# Altium PCB LKS_Motor_0313.PcbDoc (part 1 of 4)
Units mm, origin at the board's own origin, x right, y up, seen from the top; angles counter-clockwise.
Board outline 109.77 x 15.02 mm, 2 copper layers (Top Layer, Bottom Layer); 107 components, 73 nets, 326 pads, 198 vias.
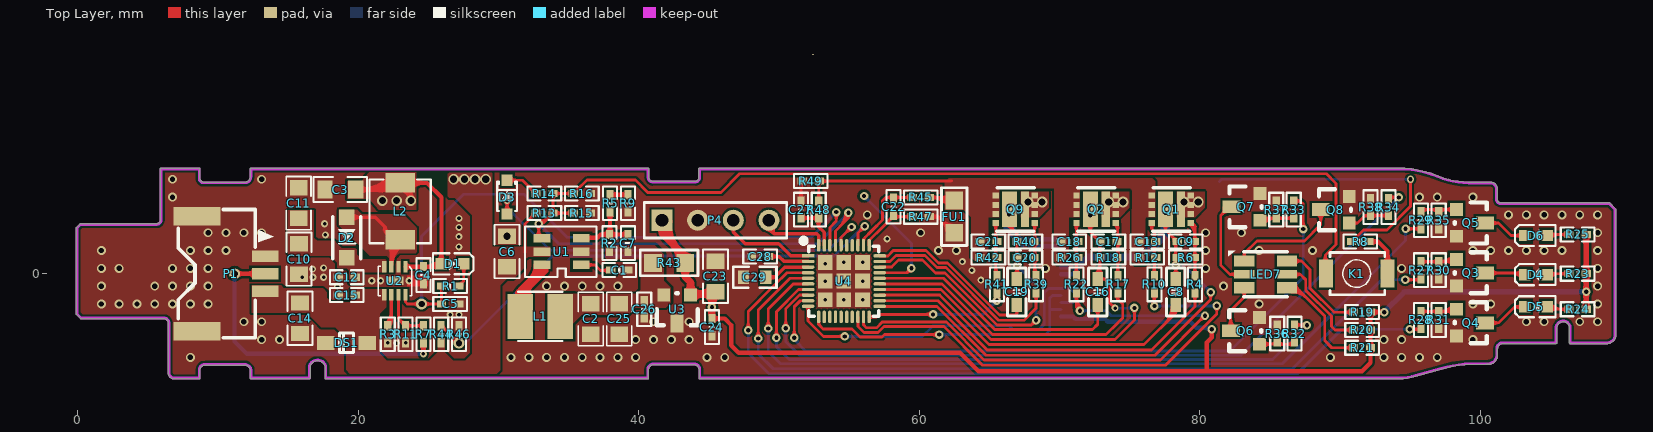
[diagram p0: Top Layer view]
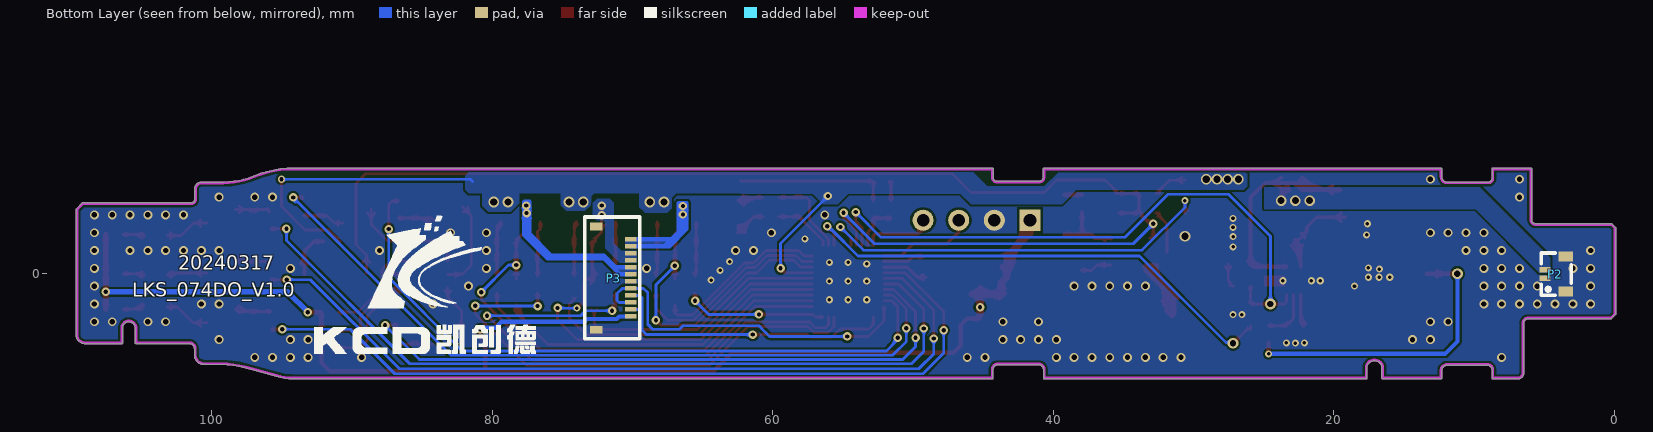
[diagram p1: Bottom Layer view, seen from below]
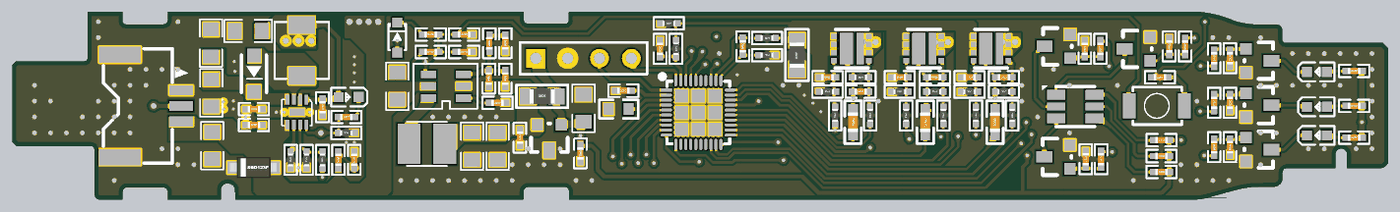
[diagram p5: 3D render of the assembled board from above, using the file's embedded part models]

## Layer stack, top to bottom
Top Solder: solder mask 0.0102, Solder Resist, Dk 3.5
Top Layer: signal copper 0.0356
Dielectric1: core 0.32, FR-4, Dk 4.8
Bottom Layer: signal copper 0.0356
Bottom Solder: solder mask 0.0102, Solder Resist, Dk 3.5

## Board outline
8.656,-7.499 ccw(c8.656,-7.449) 8.707,-7.449 8.707,-6.859 cw(c9.038,-6.859) 9.038,-6.528 11.921,-6.528 cw(c11.921,-6.907) 12.299,-6.907 12.299,-7.449 ccw(c12.35,-7.449) 12.35,-7.499 16.509,-7.499 ccw(c16.509,-7.449) 16.559,-7.449 16.559,-6.581 cw(c17.094,-6.768) 17.628,-6.581 17.628,-7.449 ccw(c17.678,-7.449) 17.678,-7.499 40.636,-7.499 ccw(c40.636,-7.449) 40.687,-7.449 40.687,-6.84 cw(c41.031,-6.841) 41.031,-6.496 43.965,-6.496 cw(c43.965,-6.824) 44.293,-6.824 44.293,-7.45 ccw(c44.343,-7.45) 44.343,-7.5 94.185,-7.5 ccw(c94.185,-7.45) 94.186,-7.5 ccw(c94.141,-3.379) 95.374,-7.312 97.194,-6.815 ccw(c97.18,-6.766) 97.195,-6.814 cw(c99.636,-15.008) 98.86,-6.494 100.458,-6.467 ccw(c100.542,-5.786) 101.22,-5.896 ccw(c101.17,-5.888) 101.221,-5.888 ccw(c101.17,-5.888) 101.221,-5.887 101.221,-5.342 cw(c101.583,-5.342) 101.583,-4.98 105.404,-4.98 ccw(c105.404,-4.93) 105.454,-4.93 105.454,-3.782 cw(c105.904,-3.886) 106.353,-3.782 106.353,-4.935 ccw(c106.404,-4.935) 106.404,-4.985 109.065,-4.985 ccw(c109.065,-4.935) 109.07,-4.985 ccw(c109.007,-4.316) 109.652,-4.503 ccw(c109.604,-4.489) 109.654,-4.489 109.654,4.575 ccw(c109.604,4.575) 109.639,4.611 109.22,5.03 ccw(c109.184,4.995) 109.184,5.045 101.458,5.045 cw(c101.458,5.309) 101.194,5.309 101.194,6.057 ccw(c100.733,6.057) 100.733,6.519 99.144,6.519 cw(c99.333,13.227) 97.362,6.812 ccw(c93.778,-1.357) 94.619,7.524 ccw(c94.614,7.474) 94.614,7.524 44.322,7.524 ccw(c44.322,7.474) 44.272,7.474 44.272,6.816 ccw(c44.322,6.816) 44.272,6.816 cw(c44.038,6.816) 44.038,6.582 cw(c44.038,6.816) 44.038,6.582 41.015,6.582 cw(c41.015,6.898) 40.7,6.898 40.7,7.471 ccw(c40.65,7.471) 40.65,7.522 12.339,7.522 ccw(c12.339,7.471) 12.289,7.471 12.289,6.886 cw(c11.933,6.886) 11.933,6.529 8.958,6.529 cw(c8.958,6.781) 8.707,6.781 8.707,7.474 ccw(c8.656,7.474) 8.656,7.524 5.942,7.524 ccw(c5.942,7.474) 5.891,7.474 5.891,3.823 cw(c5.635,3.823) 5.635,3.566 0.199,3.566 ccw(c0.199,3.516) 0.163,3.551 -0.097,3.291 ccw(c-0.062,3.255) -0.112,3.255 -0.112,-2.863 ccw(c-0.062,-2.863) -0.097,-2.899 0.202,-3.198 ccw(c0.237,-3.162) 0.237,-3.213 6.146,-3.213 cw(c6.146,-3.524) 6.457,-3.524 6.457,-7.08 ccw(c6.876,-7.08) 6.876,-7.499

## Design rules (kind name [scope] priority, off if disabled: settings)
Clearance [All] p1: gap=0.1 ignorepadtopadclearanceinfootprint=FALSE except(0: Arc-Hole Track-Hole SMDPad-Hole THPad-Hole Via-Hole Fill-Hole Poly-Hole Region-Hole Text-Hole)
ComponentClearance [All] p1 off: gap=0.254 collisioncheckmode=3 verticalgap=0.254 showdistances=FALSE
FabricationTestpoint [(IsPad And (OnTopLayer Or OnBottomLayer))] p1: side=3 testpointundercomponent=TRUE minsize=1.016 maxsize=2.54 preferedsize=1.524 minholesize=0 maxholesize=1.016 preferedholesize=0.813 testpointgrid=0.025 allowsidetop=TRUE allowsidebottom=TRUE usegrid=TRUE gridtolerance=0
HoleSize [All] p1: absolutevalues=TRUE maxlimit=5.08 minlimit=0.025 maxpercent=80.000 minpercent=20.000
HoleToHoleClearance [All] p1: gap=0.127 allowstackedmicrovias=TRUE
MinimumSolderMaskSliver [All] p1 off: minsoldermaskwidth=0.127
PlaneClearance [All] p1: clearance=0.178
PlaneConnect [All] p1: planeconnectstyle=Direct reliefexpansion=0.508 reliefentries=4 reliefconductorwidth=0.254 reliefairgap=0.254
PolygonConnect [All] p1: connectstyle=Direct reliefconductorwidth=0.254 reliefentries=4 polygonreliefangle="90 Angle" airgapwidth=0.254
RoutingVias [All] p1: holewidth=0.457 width=0.762 viastyle="Through Hole" minholewidth=0.2 minwidth=0.5 maxholewidth=1 maxwidth=2
SilkToSilkClearance [All] p1 off: silktosilkclearance=0
SilkToSolderMaskClearance SilkscreenOverComponentPads [IsPad] p1 off: minsilkscreentomaskgap=0.127 clearancetoexposedcopper=TRUE
SolderMaskExpansion [All] p1: expansion=0.102 istentingtop=FALSE
Width [All] p1: maxlimit=2.54 minlimit=0.127 preferedwidth=0.203
21 further rules are at their usual default settings.

## Components (designator, comment, footprint, x,y, rotation, side; value= is the part's Value field where it differs from the comment)
C1 "1uF/16V" "C 0402_M" 38.608,0.254 r180 top
C2 "10uF/16V" 0805C 36.576,-3.302 r90 top
C3 "22uF/25V" 0805C 18.644,5.994 r0 top
C4 "1uF/25V" "C 0402_M" 24.638,-0.102 r270 top
C5 "103" "R 0402_M" 26.543,-2.159 r180 top
C6 "10uF/16V" 0805C 30.607,1.651 r270 top
C7 "10pF/16V" "C 0402_M" 39.218,2.186 r270 top
C8 "4.7uF/25V" "C 0603_M" 78.28,-1.302 r270 top
C9 "1nF" "C 0402_M" 78.994,2.286 r0 top
C10 "22uF/25V" 0805C 15.773,0.965 r90 top
C11 "22uF/25V" 0805C 15.748,5.105 r270 top
C12 "4.7uF/25V" "C 0402_M" 19.177,-0.254 r0 top
C13 "1nF" "C 0402_M" 76.248,2.286 r0 top
C14 "22uF/25V" 0805C 15.85,-3.251 r90 top
C15 "1uF/25V" "C 0402_M" 19.177,-1.524 r0 top
C16 "4.7uF/25V" "C 0603_M" 72.72,-1.302 r270 top
C17 "1nF" "C 0402_M" 73.482,2.286 r0 top
C18 "1nF" "C 0402_M" 70.688,2.286 r0 top
C19 "4.7uF/25V" "C 0603_M" 66.956,-1.302 r270 top
C20 "1nF" "C 0402_M" 67.564,1.143 r0 top
C21 "1nF" "C 0402_M" 64.922,2.286 r0 top
C22 "NC" "C 0402_M" 58.166,4.776 r90 top
C23 "10uF/10V" 0805C 45.466,-0.115 r270 top
C24 "100nF" "C 0402_M" 45.212,-3.81 r270 top
C25 "10uF/10V" 0805C 38.608,-3.302 r90 top
C26 "100nF/10V" "C 0402_M" 40.386,-2.54 r270 top
C27 "1nF/50V" "C 0402_M" 51.562,4.572 r270 top
C28 "100nF/50V" "C 0402_M" 48.644,1.22 r180 top
C29 "1uF/10V" 0603 48.26,-0.254 r0 top
D1 "LED_R" 0603-LED 26.797,0.635 r180 top
D2 "SS34" SOD123FL 19.177,2.794 r270 top
D3 "4148" SOD-323 30.607,5.461 r270 top
D4 "LED_R" 0603-LED 103.886,0 r0 top
D5 "LED_R" 0603-LED 103.886,-2.286 r0 top
D6 "LED_R" 0603-LED 103.886,2.794 r0 top
DS1 "SMF12CA-MS" SOD-123F 19.152,-4.928 r0 top
FU1 "0.05R" "R 0805_M" 62.484,4.064 r90 top
K1 "K1" Button3x4x2 91.186,0 r180 top locked
L1 "6.8uH" SMD3X3 33.02,-3.302 r180 top
L2 "4.7uH" 0420-L 22.911,4.318 r270 top
LED7 "RGB3528" SMD3528-RGB 84.836,0 r180 top
P1 "Header 3" X9827WRS-3P 10.922,0.127 r270 top locked
P2 "Header 2" CONN_SMD_2P_0.6 4.064,0 r90 bottom locked
P3 "Header 12" SMD-12 70.104,-3.048 r90 bottom locked
P4 "Header 4" HDR1X4 41.656,3.81 r0 top
Q1 "CJBM3020" DFN-3X3_8 79.35,3.608 r90 top
Q2 "CJBM3020" DFN-3X3_8 73.99,3.608 r90 top
Q3 "J3Y" SOT-23 98.298,1.016 r270 top
Q4 "J3Y" SOT-23 98.298,-2.54 r270 top
Q5 "J3Y" SOT-23 98.298,4.572 r270 top
Q6 "J3Y" SOT-23 84.252,-5.029 r90 top
Q7 "J3Y" SOT-23 84.277,3.81 r90 top
Q8 "J3Y" SOT-23 90.653,3.607 r90 top
Q9 "CJBM3020" DFN-3X3_8 68.224,3.608 r90 top
R1 "4.7K" "C 0402_M" 26.543,-0.889 r0 top
R2 "2.5M" "C 0402_M" 37.908,2.186 r90 top
R3 "510" "R 0402_M" 22.098,-4.318 r270 top
R4 "10R" "R 0402_M" 79.65,-0.762 r270 top
R5 "340K" "C 0402_M" 37.948,5.018 r90 top
R6 "10K" "R 0402_M" 78.994,1.143 r180 top
R7 "RS/NC" "R 0402_M" 24.638,-4.318 r90 top
R8 "200K" "C 0402_M" 91.44,2.286 r180 top
R9 "0" "C 0402_M" 39.218,5.018 r270 top
R10 "10R" "R 0402_M" 76.756,-0.762 r270 top
R11 "RP/NC" "R 0402_M" 23.368,-4.318 r270 top
R12 "10K" "R 0402_M" 76.248,1.143 r180 top
R13 "1.5M/NC" "C 0402_M" 33.274,4.318 r0 top
R14 "1K" "C 0402_M" 33.274,5.715 r0 top
R15 "100K" "C 0402_M" 35.941,4.318 r180 top
R16 "100K" "C 0402_M" 35.941,5.715 r0 top
R17 "10R" "R 0402_M" 74.17,-0.762 r270 top
R18 "10K" "R 0402_M" 73.482,1.143 r180 top
R19 "1K" "C 0402_M" 91.564,-2.743 r0 top
R20 "1K" "C 0402_M" 91.564,-4.013 r0 top
R21 "1K" "C 0402_M" 91.564,-5.283 r0 top
R22 "10R" "R 0402_M" 71.196,-0.762 r270 top
R23 "1K" "C 0402_M" 106.934,0 r0 top
R24 "1K" "C 0402_M" 106.934,-2.54 r0 top
R25 "1K" "C 0402_M" 106.934,2.794 r0 top
R26 "10K" "R 0402_M" 70.688,1.143 r180 top
R27 "10K" "C 0402_M" 95.758,0.254 r270 top
R28 "10K" "C 0402_M" 95.758,-3.302 r270 top
R29 "10K" "C 0402_M" 95.758,3.81 r270 top
R30 "100K" "C 0402_M" 97.028,0.254 r270 top
R31 "100K" "C 0402_M" 97.028,-3.302 r270 top
R32 "10K" "C 0402_M" 86.741,-4.267 r90 top
R33 "10K" "C 0402_M" 86.69,4.572 r90 top
R34 "10K" "C 0402_M" 93.447,4.75 r90 top
R35 "100K" "C 0402_M" 97.028,3.81 r270 top
R36 "100K" "C 0402_M" 85.522,-4.267 r90 top
R37 "100K" "C 0402_M" 85.446,4.572 r90 top
R38 "100K" "C 0402_M" 92.177,4.75 r90 top
R39 "10R" "R 0402_M" 68.326,-0.762 r270 top
R40 "10K" "R 0402_M" 67.564,2.286 r180 top
R41 "10R" "R 0402_M" 65.532,-0.762 r270 top
R42 "10K" "R 0402_M" 64.922,1.143 r180 top
R43 "0R/NC" "R 0805_M" 42.164,0.762 r0 top
R44 "2M" "C 0402_M" 25.908,-4.318 r90 top
R45 "1K1%" "R 0402_M" 60.098,5.434 r180 top
R46 "470K" "C 0402_M" 27.178,-4.318 r90 top
R47 "1K1%" "R 0402_M" 60.098,4.064 r180 top
R48 "1K" "R 0402_M" 52.832,4.572 r270 top
R49 "10R" "R 0402_M" 52.262,6.604 r180 top
U1 "CS5503R" SOT23-6L 34.544,1.524 r180 top
U2 "CS5090EL" DFN2X2_8_0.5 22.606,-0.508 r180 top
U3 "CJ6376A33MY" SOT-23 43.688,-1.524 r180 top
U4 "LKS32MC074DOF8Q8" QFN40 54.61,-0.508 r0 top

## Footprints (in the part's own frame and the unit in brackets; to place one, negate y for a bottom-side part, rotate by r counter-clockwise, add the part's x,y. Pads: shape width x height; smd on the part's side, far side on the other; paste and mask are expansions set on the pad)
0420-L [mm]
  rect 1.4x2.12 smd: 1(1.901,0.076) 2(-2.155,0.076)
  silkscreen extent -2.4,-2.1 2.15,2.25
0603 [mm]
  rect 0.8x0.955 smd: 1(-0.795,0) 2(0.795,0)
  silkscreen extent -1.53,-0.75 1.56,0.75
0603-LED [mm]
  rect 0.8x0.8 smd: 1(0.876,-0.073) 2(-0.723,-0.08)
  silkscreen extent -1.41,-0.82 1.47,0.68
0805C [mm]
  rect 1.1x1.27 smd: 1(-1.016,0) 2(1.159,0)
  silkscreen extent -1.83,-0.89 1.98,0.89
Button3x4x2 [mm]
  rect 1x2 smd: 1(-2.2,0) 2(2.2,0)
  silkscreen extent -2,-1.5 1.9,1.5
"C 0402_M" [mil] "无极性贴片电容"
  rect 26x20 smd: 1(-24,0) 2(24,0)
  silkscreen extent -47,-20 47,20, body extent -20,-10 20,10, height 21
"C 0603_M" [mil] "无极性贴片电容"
  rect 40x30 smd: 1(-36.5,0) 2(36.5,0)
  silkscreen extent -68,-26 68,26, body extent -31,-16 31,16, height 32
CONN_SMD_2P_0.6 [mm]
  rect 0.4x0.8 smd: 1(-0.324,0.871) 2(0.276,0.871)
  rect 0.7x1.05 smd: 3(1.226,-0.604) 4(-1.274,-0.604)
  silkscreen extent -1.52,-1.01 1.48,1.15
DFN2X2_8_0.5 [mm]
  rect 0.3x0.8 smd: 1(-0.75,-1) 2(-0.25,-1) 3(0.25,-1) 4(0.75,-1) 5(0.75,1) 6(0.25,1) 7(-0.25,1) 8(-0.75,1)
  rect 1.2x0.6 smd: 9(0,0)
  silkscreen extent -1.19,-1.02 1.2,1.08
DFN-3X3_8 [mil]
  rect 17x18 smd: 1(0,0) 2(25.59,0) 3(51.18,0) 4(76.77,0) 5(76.77,109.58) 6(51.18,109.58) 7(25.59,109.58) 8(0,109.58)
  rect 100x23 smd: 9(38.33,27.5)
  rect 100x42 smd: 10(38.33,70.83)
  silkscreen extent -23,2 99,106
HDR1X4 [mm] "Connector; Header; 4 Position"
  rect 1.5x1.5 hole 0.9: 1(0,0)
  round 1.5 hole 0.9: 2(2.54,0) 3(5.08,0) 4(7.62,0)
  silkscreen extent -1.27,-1.27 8.89,1.27
QFN40 [mm]
  rect 1.05x1.05 smd: 0(-1.32,-1.352) 0(-1.32,1.308) 0(-1.32,-0.022) 0(0.01,-0.022) 0(0.01,-1.352) 0(0.01,1.308) 0(1.34,-1.352) 0(1.34,-0.022) 0(1.34,1.308)
  rect 0.9x0.24 smd: 1(-2.54,1.778)
  oval 0.9x0.24 smd: 2(-2.54,1.378) 3(-2.54,0.978) 4(-2.54,0.578) 5(-2.54,0.178) 6(-2.54,-0.222) 7(-2.54,-0.622) 8(-2.54,-1.022) 9(-2.54,-1.422) 10(-2.54,-1.822) 21(2.56,-1.822) 22(2.56,-1.422) 23(2.56,-1.022) 24(2.56,-0.622) 25(2.56,-0.222) 26(2.56,0.178) 27(2.56,0.578) 28(2.56,0.978) 29(2.56,1.378) 30(2.56,1.778)
  oval 0.24x0.9 smd: 11(-1.79,-2.572) 12(-1.39,-2.572) 13(-0.99,-2.572) 14(-0.59,-2.572) 15(-0.19,-2.572) 16(0.21,-2.572) 17(0.61,-2.572) 18(1.01,-2.572) 19(1.41,-2.572) 20(1.81,-2.572) 31(1.81,2.528) 32(1.41,2.528) 33(1.01,2.528) 34(0.61,2.528) 35(0.21,2.528) 36(-0.19,2.528) 37(-0.59,2.528) 38(-0.99,2.528) 39(-1.39,2.528) 40(-1.79,2.528)
  silkscreen extent -2.98,-2.52 2.51,2.97
"R 0402_M" [mil] "1/16W贴片电阻"
  rect 26x20 smd: 1(-24,0) 2(24,0)
  silkscreen extent -47,-20 47,20, body extent -20,-10 20,10, height 12
"R 0805_M" [mil] "1/8W贴片电阻"
  rect 50x50 smd: 1(-45,0) 2(45,0)
  silkscreen extent -81,-36 81,36, body extent -39,-25 39,25, height 20
SMD3X3 [mm]
  rect 1.824x3.22 smd: 1(1.479,-0.254) 2(-1.377,-0.254)
  silkscreen extent -1.53,-2.02 1.63,1.51
SMD3528-RGB [mm]
  rect 1.45x0.8 smd: 1(1.677,-0.899) 3(1.677,1.001) 4(-1.373,1.001) 6(-1.373,-0.899)
  rect 1.45x0.6 smd: 2(1.677,0.051) 5(-1.373,0.051)
  silkscreen extent -1.4,-1.65 2.8,1.65
SMD-12 [mil]
  rect 22x36 smd: 0(252.38,97.5) 0/2(-37.62,97.5)
  rect 13x32 smd: 1(216.53,0) 2(196.85,0) 3(177.17,0) 4(157.48,0) 5(137.79,0) 6(118.11,0) 7(98.42,0) 8(78.74,0) 9(59.05,0) 10(39.37,0) 11(19.69,0) 12(0,0)
  silkscreen extent -62,-25 279,130
SOD123FL [mm]
  rect 1.1x1.1 smd: 1(-1.228,-0.006) 2(1.673,-0.006)
  silkscreen extent -1.28,-1.01 1.72,0.99
SOD-123F [mm]
  rect 1.25x1 smd: 1(1.475,0) 2(-1.475,0)
  silkscreen extent -0.5,-0.7 0.5,0.7, body extent -1.9,-0.85 1.85,0.85, height 1.2
SOD-323 [mm]
  rect 0.8x0.8 smd: 1(1.2,0) 2(-1.2,0)
  silkscreen extent -1.1,-0.7 1,0.7
SOT23-6L [mm]
  rect 1.2x0.6 smd: 1(-1.349,0.899) 2(-1.349,-0.051) 3(-1.349,-1.001) 4(1.451,-1.001) 5(1.451,-0.051) 6(1.451,0.899)
  silkscreen extent -2.45,-1.85 2.65,1.75
SOT-23 [mil]
  rect 36x36 smd: 1(0,0) 2(75,0)
  rect 36x50 smd: 3(38,80)
  silkscreen extent -20,-5 95,85
X9827WRS-3P [mm]
  rect 0.8x1.9 smd: 1(-1.123,2.438) 2(0.127,2.438) 3(1.377,2.438)
  rect 1.3x3.35 smd: 4(4.227,-2.438) 5(-3.973,-2.438)
  silkscreen extent -4.45,-3.76 4.7,3.04

## Part data
C1 C4 C24: library part CAP
C2 C3 C5 C6 C7 C8 C9 C10 C11 C12 C13 C14 C15 C16 C17 C18 C19 C20 C21 C22 C23 C25 C26: library part CAP, "Capacitor"
C27 C28 C29: library part C, "Capacitor"
D1 D4 D5 D6: library part LED
D2 D3: library part Diode, "Default Diode"
DS1: library part DIODE-3, "12V/19.9V"
FU1 R4 R6 R10 R12 R17 R18 R22 R26 R39 R40 R41 R42 R45 R47 R48 R49: library part RAS
L1 L2: library part Inductor, "Inductor"
LED7: library part RGB5050
P1: "Header, 3-Pin"
P2: "Header, 2-Pin"
P3: "Header, 12-Pin"
P4: "Header, 4-Pin"
Q3 Q4 Q5 Q6 Q7 Q8: library part NPN, "NPN Transistor"
R1 R2 R3 R5 R7 R8 R9 R11 R13 R14 R15 R16 R19 R20 R21 R23 R24 R25 R27 R28 R29 R30 R31 R32 R33 R34 R35 R36 R37 R38 R43 R44 R46: library part RES2_S
U3: library part 78L15
U4: library part LKS32MC074DF8Q8, "芯片"

## Via types
v1: diameter 0.635, hole 0.381, Top Layer to Bottom Layer, tented both sides, 102 vias
v2: diameter 0.6, hole 0.3, Top Layer to Bottom Layer, tented both sides, 36 vias
v3: diameter 0.508, hole 0.254, Top Layer to Bottom Layer, tented both sides, 19 vias
v4: diameter 0.762, hole 0.508, Top Layer to Bottom Layer, 10 vias
v5: diameter 0.5, hole 0.25, Top Layer to Bottom Layer, tented both sides, 8 vias
v6: diameter 0.6, hole 0.3, Top Layer to Bottom Layer, 6 vias
v7: diameter 0.508, hole 0.254, Top Layer to Bottom Layer, 5 vias
v8: diameter 0.5, hole 0.25, Top Layer to Bottom Layer, 4 vias
v9: diameter 0.762, hole 0.508, Top Layer to Bottom Layer, tented both sides, 4 vias
v10: diameter 0.762, hole 0.457, Top Layer to Bottom Layer, tented both sides, 3 vias
v11: diameter 0.508, hole 0.3, Top Layer to Bottom Layer, tented both sides, 1 vias

## Nets (pads, with @x,y where several pads share a name; then routed paths per layer and width w, separated by ;. In a path a pad name is that pad's centre, name@x,y a point inside that pad or via, vN(x,y) a via of type N, cw(c..) or ccw(c..) an arc to the next point about the centre after c; other vN are vias at no path point)
1ST: R29.2 U4.6 | length 72.2
  Top Layer w0.2: v2(49.225,-3.912) 49.225,-2.515 51.01,-0.73 U4.6@52.07,-0.73 ; v2@94.894,3.2 R29.2@95.758,3.2 ; v2@49.084,-3.77 ccw(c48.742,-3.429) 49.225,-3.429 ; v2@49.084,-3.77 ccw(c48.742,-3.429) 49.225,-3.429 ; v2@49.084,-3.77 ccw(c48.742,-3.429) 49.225,-3.429 ; v2@49.084,-3.77 ccw(c48.742,-3.429) 49.225,-3.429 ; 49.225,-3.429 ccw(c49.708,-3.429) v2@49.367,-3.77 ; 49.225,-3.429 ccw(c49.708,-3.429) v2@49.367,-3.77 ; 49.225,-3.429 ccw(c49.708,-3.429) v2@49.367,-3.77 ; 49.225,-3.429 ccw(c49.708,-3.429) v2@49.367,-3.77 ; v2@94.807,3.059 cw(c95.149,2.718) 95.149,3.2 ; v2@94.807,3.059 cw(c95.149,2.718) 95.149,3.2 ; v2@94.807,3.059 cw(c95.149,2.718) 95.149,3.2 ; v2@94.807,3.059 cw(c95.149,2.718) 95.149,3.2 ; v2@94.807,3.342 ccw(c95.149,3.683) 95.149,3.2 ; v2@94.807,3.342 ccw(c95.149,3.683) 95.149,3.2 ; v2@94.807,3.342 ccw(c95.149,3.683) 95.149,3.2 ; v2@94.807,3.342 ccw(c95.149,3.683) 95.149,3.2 ; 95.386,3.2 cw(c95.386,2.829) R29.2@95.649,3.092 ; 95.386,3.2 ccw(c95.386,3.572) R29.2@95.649,3.309 ; 95.386,3.2 cw(c95.386,2.829) R29.2@95.649,3.092 ; 95.386,3.2 ccw(c95.386,3.572) R29.2@95.649,3.309 ; 95.386,3.2 cw(c95.386,2.829) R29.2@95.649,3.092 ; 95.386,3.2 ccw(c95.386,3.572) R29.2@95.649,3.309 ; 95.386,3.2 cw(c95.386,2.829) R29.2@95.649,3.092 ; 95.386,3.2 ccw(c95.386,3.572) R29.2@95.649,3.309
  Bottom Layer w0.2: v2(49.225,-3.912) 49.225,-5.537 50.114,-6.426 85.877,-6.426 94.666,2.362 v2(94.666,3.2) ; v2@49.084,-4.053 cw(c48.742,-4.394) 49.225,-4.394 ; v2@49.084,-4.053 cw(c48.742,-4.394) 49.225,-4.394 ; v2@49.084,-4.053 cw(c48.742,-4.394) 49.225,-4.394 ; v2@49.084,-4.053 cw(c48.742,-4.394) 49.225,-4.394 ; 49.225,-4.394 cw(c49.708,-4.394) v2@49.367,-4.053 ; 49.225,-4.394 cw(c49.708,-4.394) v2@49.367,-4.053 ; 49.225,-4.394 cw(c49.708,-4.394) v2@49.367,-4.053 ; 49.225,-4.394 cw(c49.708,-4.394) v2@49.367,-4.053 ; v2@94.524,3.059 cw(c94.183,2.718) 94.666,2.718 ; v2@94.524,3.059 cw(c94.183,2.718) 94.666,2.718 ; v2@94.524,3.059 cw(c94.183,2.718) 94.666,2.718 ; v2@94.524,3.059 cw(c94.183,2.718) 94.666,2.718 ; 94.666,2.718 cw(c95.149,2.718) v2@94.807,3.059 ; 94.666,2.718 cw(c95.149,2.718) v2@94.807,3.059 ; 94.666,2.718 cw(c95.149,2.718) v2@94.807,3.059 ; 94.666,2.718 cw(c95.149,2.718) v2@94.807,3.059
2ND: R27.2 U4.5 | length 72.4
  Top Layer w0.2: v2(48.514,-4.623) 48.514,-2.591 50.775,-0.33 U4.5@52.07,-0.33 ; v2(94.64,-0.432) 95.682,-0.432 R27.2@95.758,-0.356 ; v2@48.373,-4.481 ccw(c48.031,-4.14) 48.514,-4.14 ; v2@48.373,-4.481 ccw(c48.031,-4.14) 48.514,-4.14 ; v2@48.373,-4.481 ccw(c48.031,-4.14) 48.514,-4.14 ; v2@48.373,-4.481 ccw(c48.031,-4.14) 48.514,-4.14 ; 48.514,-4.14 ccw(c48.997,-4.14) v2@48.655,-4.481 ; 48.514,-4.14 ccw(c48.997,-4.14) v2@48.655,-4.481 ; 48.514,-4.14 ccw(c48.997,-4.14) v2@48.655,-4.481 ; 48.514,-4.14 ccw(c48.997,-4.14) v2@48.655,-4.481 ; v2@94.782,-0.573 cw(c95.123,-0.915) 95.123,-0.432 ; v2@94.782,-0.573 cw(c95.123,-0.915) 95.123,-0.432 ; v2@94.782,-0.573 cw(c95.123,-0.915) 95.123,-0.432 ; v2@94.782,-0.573 cw(c95.123,-0.915) 95.123,-0.432 ; v2@94.782,-0.29 ccw(c95.123,0.051) 95.123,-0.432 ; v2@94.782,-0.29 ccw(c95.123,0.051) 95.123,-0.432 ; v2@94.782,-0.29 ccw(c95.123,0.051) 95.123,-0.432 ; v2@94.782,-0.29 ccw(c95.123,0.051) 95.123,-0.432 ; 95.386,-0.432 cw(c95.386,-0.804) R27.2@95.649,-0.541 ; 95.386,-0.432 ccw(c95.386,-0.06) R27.2@95.649,-0.323 ; 95.386,-0.432 cw(c95.386,-0.804) R27.2@95.649,-0.541 ; 95.386,-0.432 ccw(c95.386,-0.06) R27.2@95.649,-0.323 ; 95.386,-0.432 cw(c95.386,-0.804) R27.2@95.649,-0.541 ; 95.386,-0.432 ccw(c95.386,-0.06) R27.2@95.649,-0.323 ; 95.386,-0.432 cw(c95.386,-0.804) R27.2@95.649,-0.541 ; 95.386,-0.432 ccw(c95.386,-0.06) R27.2@95.649,-0.323
  Bottom Layer w0.2: v2(48.514,-4.623) 48.514,-5.715 49.581,-6.782 86.614,-6.782 92.964,-0.432 v2(94.64,-0.432) ; v2@48.373,-4.764 cw(c48.031,-5.106) 48.514,-5.106 ; v2@48.373,-4.764 cw(c48.031,-5.106) 48.514,-5.106 ; v2@48.373,-4.764 cw(c48.031,-5.106) 48.514,-5.106 ; v2@48.373,-4.764 cw(c48.031,-5.106) 48.514,-5.106 ; 48.514,-5.106 cw(c48.997,-5.106) v2@48.655,-4.764 ; 48.514,-5.106 cw(c48.997,-5.106) v2@48.655,-4.764 ; 48.514,-5.106 cw(c48.997,-5.106) v2@48.655,-4.764 ; 48.514,-5.106 cw(c48.997,-5.106) v2@48.655,-4.764 ; 94.158,-0.432 cw(c94.158,-0.915) v2@94.499,-0.573 ; 94.158,-0.432 ccw(c94.158,0.051) v2@94.499,-0.29 ; 94.158,-0.432 cw(c94.158,-0.915) v2@94.499,-0.573 ; 94.158,-0.432 ccw(c94.158,0.051) v2@94.499,-0.29 ; 94.158,-0.432 cw(c94.158,-0.915) v2@94.499,-0.573 ; 94.158,-0.432 ccw(c94.158,0.051) v2@94.499,-0.29 ; 94.158,-0.432 cw(c94.158,-0.915) v2@94.499,-0.573 ; 94.158,-0.432 ccw(c94.158,0.051) v2@94.499,-0.29